# Altium PCB I2C_Jog_Controller.pcbdoc (part 7 of 9)
Units mil, origin at the board's own origin, x right, y up, seen from the top; angles counter-clockwise.
Board outline 3937.01 x 3937.01 mil, 2 copper layers (Top Layer, Bottom Layer), stack 65.398 mil thick; 211 components, 144 nets, 5702 pads, 342 vias.
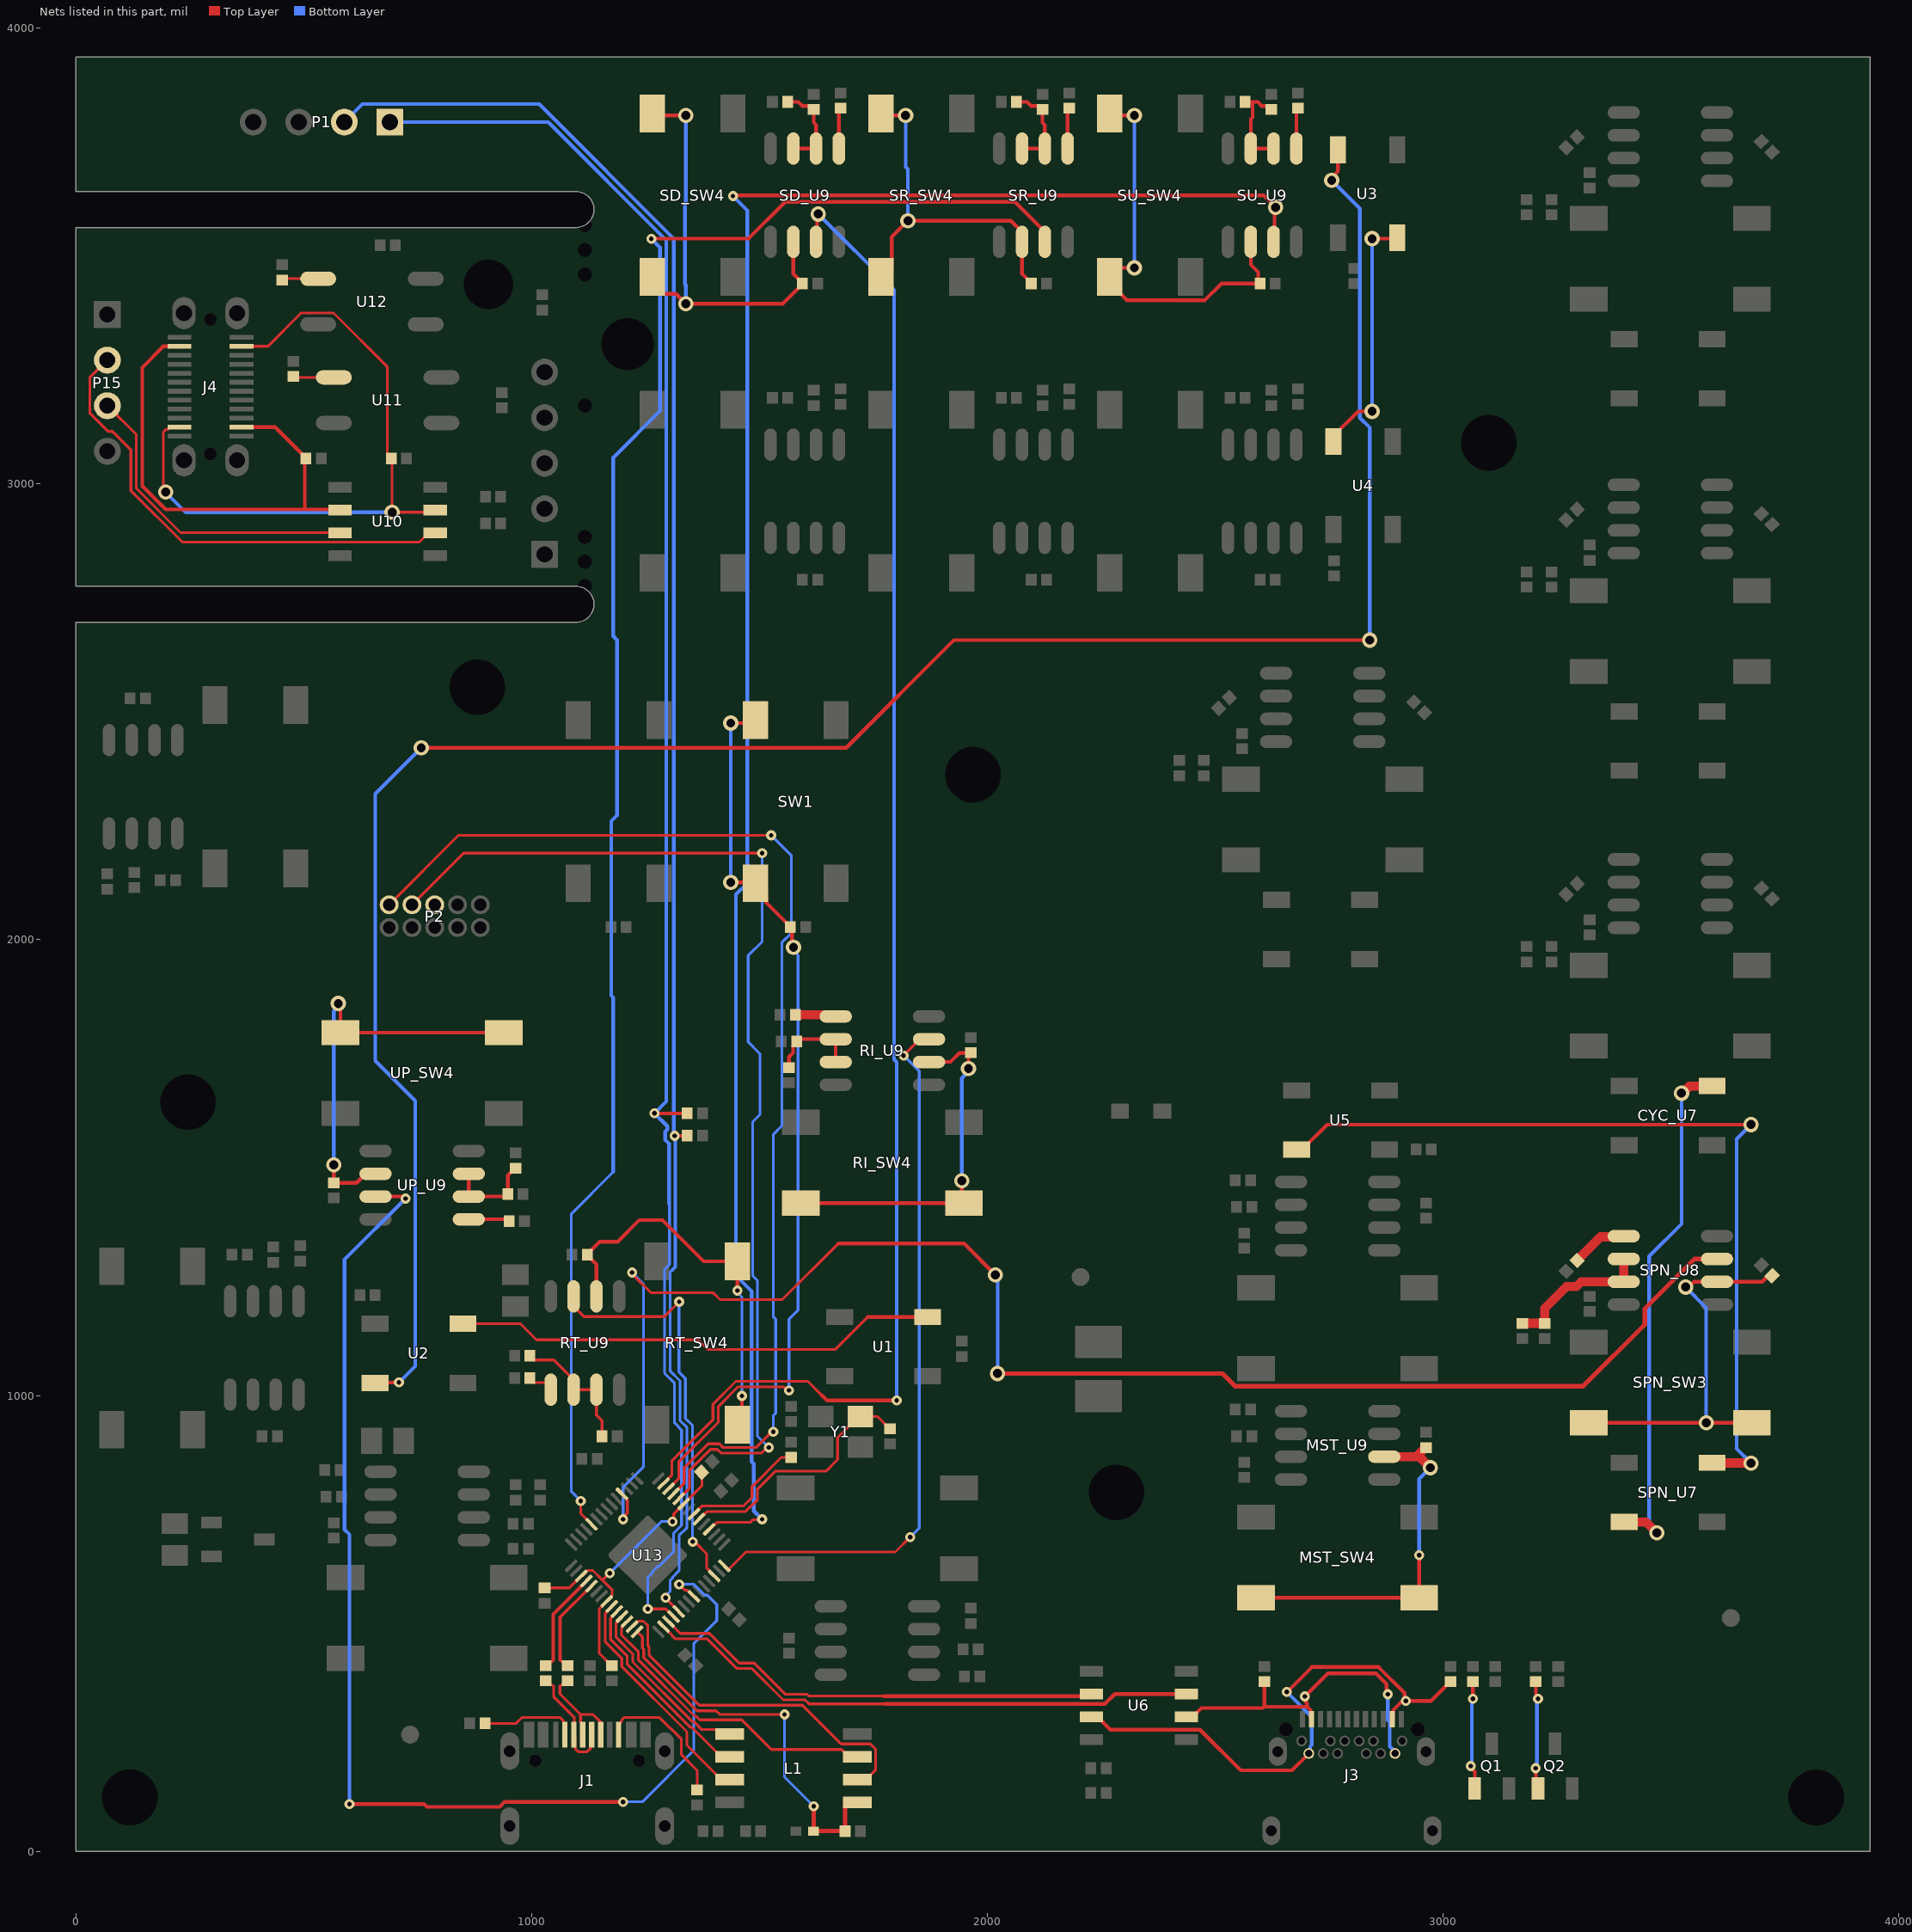
[diagram p7: the nets of this part, all layers, seen from the top]

## Via types
v1: diameter 33.46, hole 19.68, Top Layer to Bottom Layer, tented both sides, 196 vias
v2: diameter 22, hole 10, Top Layer to Bottom Layer, tented both sides, 146 vias

## Nets (pads, with @x,y where several pads share a name; then routed paths per layer and width w, separated by ;. In a path a pad name is that pad's centre, name@x,y a point inside that pad or via, vN(x,y) a via of type N, cw(c..) or ccw(c..) an arc to the next point about the centre after c; other vN are vias at no path point) (continued)
NetMST_R16_2: MST_R16.2 MST_SW4.3 MST_SW4.4 MST_U9.2 | length 794.7
  Top Layer w8: MST_SW4.3@2589.57,556.1 MST_SW4.4@2947.83,556.1 v2(2947.83,649.61)
  Top Layer w20: MST_U9.2@2871.06,865.75 2948.23,865.75 v1(2972.44,841.54) ; 2941.54,865.75 2959.8,884.02 2960.79,884.02 MST_R16.2@2962.6,885.83
  Bottom Layer w8: v2(2947.83,649.61) 2947.83,816.93 v1(2972.44,841.54)
NetQ1_1: Q1.1 R11.1 | length 237
  Top Layer w8: v2(3061.02,187.01) 3061.02,183.26 3069.88,174.4 Q1.1@3069.88,137.8 ; v2(3065.94,334.65) R11.1@3065.94,369.09
  Bottom Layer w8: v2(3061.02,187.01) 3063.48,189.47 3063.48,332.19 v2(3065.94,334.65)
NetQ2_1: Q2.1 R12.2 | length 240.4
  Top Layer w8: v2(3203.74,182.09) 3203.74,142.72 Q2.1@3208.66,137.8 ; R12.2@3203.74,372.05 3203.74,343.36 3208.66,338.43 v2(3208.66,334.65)
  Bottom Layer w8: v2(3203.74,182.09) 3206.2,184.55 3206.2,332.19 v2(3208.66,334.65)
NetR4_2: R4.2 U12.1 | length 79.9
  Top Layer w6: R4.2@452.76,3447.83 455.51,3450.59 U12.1@531.5,3450.59
NetR5_2: R5.2 U11.1 | length 89.5
  Top Layer w6: R5.2@477.36,3236.22 479.53,3234.06 U11.1@565.94,3234.06
NetRI_C15_2: RI_C15.2 RI_R15.2 RI_U9.6 RI_U9.7 | length 201.8
  Top Layer w8: RI_R15.2@1564.96,1719.49 1564.96,1742.86 1573.88,1751.78 1573.88,1768.76 1587.01,1781.89 RI_U9.6@1667.32,1781.89 RI_U9.7@1667.32,1731.89
NetRI_C16_1: RI_C16.1 RI_U9.5 | length 90.1
  Top Layer w20: RI_C16.1@1578.74,1835.63 1639.88,1835.63 1643.62,1831.89 RI_U9.5@1667.32,1831.89
NetRI_R16_2: RI_R16.2 RI_SW4.3 RI_SW4.4 RI_U9.2 | length 798
  Top Layer w8: RI_SW4.3@1590.55,1422.24 RI_SW4.4@1948.82,1422.24 1943.9,1427.17 v1(1943.9,1471.46) ; RI_U9.2@1872.05,1731.89 1919.08,1731.89 1938.44,1751.25 1962.86,1751.25 RI_R16.2@1963.58,1751.97 1958.66,1747.05 v1(1958.66,1717.52)
  Bottom Layer w8: v1(1943.9,1471.46) 1943.9,1695.87 1958.66,1710.63 v1(1958.66,1717.52)
NetRT_C15_2: RT_C15.2 RT_R15.2 RT_U9.6 RT_U9.7 | length 297.8
  Top Layer w6: RT_C15.2@996.06,1087.6 996.06,1086.61 1004.87,1077.8 1048.77,1077.8 1092.13,1034.45 RT_U9.6@1092.13,1012.8 RT_U9.7@1142.13,1012.8 1142.13,956.91 1154.53,944.5 RT_R15.2@1154.53,910.43
NetRT_C16_1: RT_C16.1 RT_U9.5 | length 60.7
  Top Layer w6: RT_C16.1@996.06,1038.39 996.06,1037.4 1004.87,1028.59 1032.17,1028.59 1042.13,1018.63 RT_U9.5@1042.13,1012.8
NetRT_R16_2: RT_R16.2 RT_SW4.3 RT_SW4.4 RT_U9.2 | length 865.6
  Top Layer w8: RT_U9.2@1142.13,1217.52 1142.13,1287.99 1122.05,1308.07 1122.05,1310.04 1149.28,1337.27 1188.69,1337.27 1236.42,1385 1286.96,1385 1377.67,1294.29 RT_SW4.4@1451.77,1294.29 v2(1451.77,1230.32) ; RT_SW4.3@1451.77,936.02 1461.61,945.87 v2(1461.61,999.02)
  Bottom Layer w6: v2(1451.77,1230.32) 1451.77,1225.99 1461.61,1216.14 v2(1461.61,999.02)
NetSD_C15_2: SD_C15.2 SD_R15.2 SD_U9.6 SD_U9.7 | length 201.8
  Top Layer w8: SD_R15.2@1562.01,3838.58 1585.38,3838.58 1594.3,3829.66 1611.28,3829.66 SD_C15.2@1619.09,3821.85 1619.09,3793.13 1624.41,3787.82 SD_U9.6@1624.41,3736.22 SD_U9.7@1574.41,3736.22
NetSD_C16_1: SD_C16.1 SD_U9.5 | length 90.1
  Top Layer w8: SD_U9.5@1674.41,3736.22 1674.41,3821.06 SD_C16.1@1678.15,3824.8
NetSD_R16_2: SD_R16.2 SD_SW4.3 SD_SW4.4 SD_U9.2 | length 971.6
  Top Layer w8: SD_SW4.4@1264.76,3454.72 1264.76,3440.94 1288.32,3417.39 1316.87,3417.39 v1(1338.58,3395.67) 1551.18,3395.67 1594.49,3438.98 1594.49,3440.95 1574.41,3461.02 SD_U9.2@1574.41,3531.5 ; SD_SW4.3@1264.76,3812.99 1268.7,3809.06 v1(1338.58,3809.06)
  Bottom Layer w8: v1(1338.58,3395.67) 1338.58,3436.6 1336.46,3438.73 1336.46,3616.95 1338.58,3619.07 v1(1338.58,3809.06)
NetSPN_C13_2: SPN_C13.2 SPN_R13.2 SPN_U8.6 SPN_U8.7 | length 329.2
  Top Layer w20: SPN_C13.2@3174.21,1158.46 SPN_R13.2@3223.43,1158.46 3223.43,1190.94 3271.7,1239.22 3293.01,1239.22 3303.4,1249.61 SPN_U8.7@3396.65,1249.61 SPN_U8.6@3396.65,1299.61
NetSPN_C14_1: SPN_C14.1 SPN_U8.5 | length 124.4
  Top Layer w20: SPN_C14.1@3294.31,1296.28 3346.19,1348.16 3395.21,1348.16 SPN_U8.5@3396.65,1349.61
NetSPN_R14_2: SPN_R14.2 SPN_SW3.3 SPN_SW3.4 SPN_U8.2 | length 875
  Top Layer w8: SPN_SW3.3@3319.88,939.96 SPN_SW3.4@3678.15,939.96 ; v1(3532.63,1237.9) 3539.52,1237.9 3551.22,1249.61 3700.56,1249.61 3713.73,1262.77 SPN_R14.2@3722.46,1262.77
  Bottom Layer w8: v1(3532.63,1237.9) 3577.76,1192.78 v1(3577.76,939.96)
NetSR_C15_2: SR_C15.2 SR_R15.2 SR_U9.6 SR_U9.7 | length 201.8
  Top Layer w8: SR_R15.2@2063.98,3838.58 2087.35,3838.58 2096.27,3829.66 2113.25,3829.66 SR_C15.2@2121.06,3821.85 2121.06,3793.13 2126.38,3787.82 SR_U9.6@2126.38,3736.22 SR_U9.7@2076.38,3736.22
NetSR_C16_1: SR_C16.1 SR_U9.5 | length 90.1
  Top Layer w8: SR_U9.5@2176.38,3736.22 2176.38,3821.06 SR_C16.1@2180.12,3824.8
NetSR_R16_2: SR_R16.2 SR_SW4.3 SR_SW4.4 SR_U9.2 | length 819.8
  Top Layer w8: SR_SW4.4@1766.73,3454.72 1790.29,3478.28 1790.29,3542.26 1826.95,3578.92 1828.12,3577.76 2051.77,3577.76 2076.38,3553.15 2076.38,3461.02 2096.46,3440.94 SR_R16.2@2096.46,3439.96 ; SR_SW4.3@1766.73,3812.99 1770.67,3809.06 v1(1820.87,3809.06)
  Bottom Layer w8: v1(1820.87,3809.06) 1820.87,3695.87 1825.79,3690.94 v1(1825.79,3577.76)
NetSU_C15_2: SU_C15.2 SU_R15.2 SU_U9.6 SU_U9.7 | length 217.9
  Top Layer w8: SU_R15.2@2565.94,3838.58 2582.07,3838.58 ; SU_C15.2@2623.03,3821.85 2615.22,3829.66 2602.31,3829.66 2593.39,3838.58 2582.07,3838.58 ; SU_U9.6@2628.35,3736.22 SU_U9.7@2578.35,3736.22 2578.35,3800.88 2582.07,3804.61 2582.07,3838.58
NetSU_C16_1: SU_C16.1 SU_U9.5 | length 90.1
  Top Layer w8: SU_U9.5@2678.35,3736.22 2678.35,3821.06 SU_C16.1@2682.09,3824.8
NetSU_R16_2: SU_R16.2 SU_SW4.3 SU_SW4.4 SU_U9.2 | length 926.2
  Top Layer w8: SU_SW4.3@2268.7,3812.99 2272.64,3809.06 v1(2322.83,3809.06) ; v1(2322.83,3474.41) 2288.39,3474.41 SU_SW4.4@2268.7,3454.72 2268.7,3440.95 2306.26,3403.39 2477.57,3403.39 2514.14,3439.96 2597.44,3439.96 2598.43,3440.95 2594.51,3444.86 2594.51,3464.76 2578.35,3480.92 SU_U9.2@2578.35,3531.5
  Bottom Layer w8: v1(2322.83,3474.41) v1(2322.83,3809.06)
NetU1_2: U1.2 U2.4 | length 1072.4
  Top Layer w6: U2.4@849.41,1157.48 975.49,1157.48 1010.61,1122.36 1365.43,1122.36 1386.56,1101.24 1666.56,1101.24 1737.57,1172.24
  Top Layer w8: 1737.57,1172.24 U1.2@1869.09,1172.24
NetU2_2: U2.2 U3.4 | length 4834
  Top Layer w8: U2.2@656.5,1027.56 657.48,1028.54 v2(708.66,1028.54) ; v1(757.87,2421.26) 1690.32,2421.26 1926.54,2657.48 v1(2839.57,2657.48) ; v1(2755.91,3666.34) 2755.91,3673.23 2769.69,3687.01 U3.4@2769.69,3733.27
  Bottom Layer w8: v2(708.66,1028.54) 744.43,1064.31 744.43,1646.82 656.73,1734.51 656.73,2320.12 v1(757.87,2421.26) ; v1(2755.91,3666.34) 2817.76,3604.49 2817.76,3145.34 2839.57,3123.52 v1(2839.57,2657.48)
NetU3_2: U3.2 U4.4 | length 553.8
  Top Layer w8: U4.4@2759.84,3093.5 2759.84,3105.31 2813.98,3159.45 v1(2844.49,3159.45) ; v1(2844.49,3538.39) 2897.64,3538.39 U3.2@2899.61,3540.35
  Bottom Layer w8: v1(2844.49,3159.45) v1(2844.49,3538.39)
NetUP_C15_2: UP_C15.2 UP_R15.2 UP_U9.6 UP_U9.7 | length 202.4
  Top Layer w8: UP_U9.7@862.2,1486.61 UP_U9.6@862.2,1436.61 942.52,1436.61 UP_C15.2@947.83,1441.93 947.83,1483.27 963.58,1499.02 UP_R15.2@964.57,1499.02
NetUP_C16_1: UP_C16.1 UP_U9.5 | length 90.1
  Top Layer w8: UP_U9.5@862.2,1386.61 947.05,1386.61 UP_C16.1@950.79,1382.87
NetUP_R16_2: UP_R16.2 UP_SW4.3 UP_SW4.4 UP_U9.2 | length 921.9
  Top Layer w8: v1(565.94,1505.91) UP_R16.2@565.94,1466.54 615.75,1466.54 635.83,1486.61 UP_U9.2@657.48,1486.61 ; v1(575.79,1860.24) 575.79,1853.35 580.71,1848.42 UP_SW4.4@580.71,1796.26 UP_SW4.3@938.98,1796.26
  Bottom Layer w8: v1(565.94,1505.91) 565.94,1843.5 575.79,1853.35 v1(575.79,1860.24)
PICO_RUN: C1.2 SW1.1 SW1.2 U13.26 | length 2022.9
  Top Layer w6: U13.26@1300.51,795.41 1322.63,817.54 1322.63,854.15 1409.95,941.47 1409.95,975.83 1453.14,1019.02 1552.8,1019.02 1560.63,1011.19 v2(1564.96,1011.19)
  Top Layer w8: v1(1437.01,2125.98) 1489.17,2125.98 1514.7,2100.46 1514.7,2081.76 1567.91,2028.54 C1.2@1567.91,2027.56 1571.36,2024.11 1571.36,1986.71 v1(1574.8,1983.27) ; v1(1437.01,2475.39) 1484.25,2475.39 SW1.2@1491.14,2482.28
  Bottom Layer w6: v2(1564.96,1011.19) 1564.96,1167.58 1584.65,1187.27 1584.65,1966.02 1574.8,1975.86 v1(1574.8,1983.27)
  Bottom Layer w8: v1(1437.01,2125.98) v1(1437.01,2475.39)
PICO_SWCLK: P2.4 U13.24 | length 2438.3
  Top Layer w6: P2.4@737.4,2076.77 850.59,2189.96 v2(1505.91,2189.96) ; U13.24@1322.78,773.14 1346.63,796.99 1346.63,836.12 1392.27,881.76 1407.44,881.76 1415.51,873.68 1504.53,873.68 1516.67,885.83 v2(1520.67,885.83)
  Bottom Layer w6: v2(1505.91,2189.96) 1505.91,1996.02 1475.25,1965.37 1475.25,1775.76 1500.93,1750.08 1500.93,1616.06 1485.09,1600.23 1485.09,1262.98 1495.61,1252.46 1495.61,910.88 v2(1520.67,885.83)
PICO_SWDIO: P2.2 U13.25 | length 2551.6
  Top Layer w6: P2.2@687.4,2076.77 839.96,2229.33 v2(1525.59,2229.33) ; U13.25@1311.64,784.28 1334.63,807.27 1334.63,841.09 1387.3,893.76 1412.41,893.76 1420.48,885.68 1492.24,885.68 1526.83,920.28 v2(1530.51,920.28)
  Bottom Layer w6: v2(1525.59,2229.33) 1570.2,2184.72 1570.2,2015.05 1549.07,1993.93 1549.07,1591.42 1530.2,1572.55 1530.2,1172.82 1535.75,1167.27 1535.75,961.2 1530.51,955.97 v2(1530.51,920.28)
QSPI_SCLK: L1.6 U13.52 | length 446
  Top Layer w6: U13.52@1187.06,526.07 1187.06,524.75 1173.32,511 1173.32,464.64 1209.98,427.99 1209.98,410.13 1347.91,272.2 1351.23,272.2 1416.34,207.09 L1.6@1435.04,207.09
QSPI_SD0: L1.5 U13.53 | length 398.9
  Top Layer w6: U13.53@1198.2,514.94 1198.2,513.61 1185.32,500.73 1185.32,469.61 1221.98,432.96 1221.98,415.1 1352.88,284.2 1356.2,284.2 1373.51,266.88 1425.24,266.88 L1.5@1435.04,257.09
QSPI_SD1: L1.2 U13.55 | length 786.7
  Top Layer w6: U13.55@1220.47,492.66 1221.8,492.66 1233.81,504.68 1245.55,504.68 1255.09,495.13 1255.09,450.76 1257.98,447.87 1257.98,430.02 1367.8,320.2 1594.44,320.2 1679.34,235.29 1684.63,235.29 1743.38,235.29 1755.06,223.61 1755.06,178.88 1733.27,157.09 L1.2@1714.57,157.09
QSPI_SD2: L1.3 U13.54 | length 672.7
  Top Layer w6: U13.54@1209.34,503.8 1209.34,502.48 1197.32,490.46 1197.32,474.58 1233.98,437.93 1233.98,420.07 1357.85,296.2 1361.17,296.2 1369.17,288.2 1460.95,288.2 1525.85,223.29 1679.66,223.29 1695.87,207.09 L1.3@1714.57,207.09
QSPI_SD3: L1.7 U13.51 | length 510.5
  Top Layer w6: U13.51@1175.93,537.21 1175.93,535.88 1161.32,521.28 1161.32,459.67 1197.98,423.02 1197.98,405.16 1340.74,262.4 1340.74,232.68 1416.34,157.09 L1.7@1435.04,157.09
QSPI_SS: L1.1 R10.1 R17.2 U13.56 | length 859.4
  Top Layer w6: U13.56@1231.61,481.53 1232.27,480.87 1243.09,470.05 1243.09,445.79 1245.98,442.9 1245.98,425.05 1362.82,308.2 1404.94,308.2 1412.94,300.2 v2(1555.12,300.2)
  Top Layer w10: v2(1619.09,98.43) R10.1@1619.09,44.29 R17.2@1687.99,44.29 1687.99,99.21 1695.87,107.09 L1.1@1714.57,107.09
  Bottom Layer w6: v2(1555.12,300.2) 1555.12,162.4 v2(1619.09,98.43)
RAISE: RI_U9.3 U13.14 | length 1590.9
  Top Layer w6: U13.14@1423,626.29 1431,618.29 1432.33,618.29 1470.68,656.64 1798.37,656.64 v2(1830.71,688.98) ; v2(1816.44,1746.02) 1816.44,1746.97 1851.35,1781.89 RI_U9.3@1872.05,1781.89
  Bottom Layer w6: v2(1816.44,1746.02) 1850.71,1711.74 1850.71,708.98 v2(1830.71,688.98)
RIGHT: RT_U9.3 U13.12 | length 912.7
  Top Layer w6: RT_U9.3@1092.13,1217.52 1092.13,1195.87 1114.91,1173.09 1291.2,1173.09 v2(1323.82,1205.71) ; v2(1353.35,679.13) 1356.41,676.07 1360.81,676.07 1383.97,652.91 1383.97,622.1 1400.73,605.35 U13.12@1400.73,604.02
  Bottom Layer w6: v2(1323.82,1205.71) 1323.5,1205.39 1323.5,1051.21 1337.68,1037.02 1337.68,949.74 1353.35,934.08 v2(1353.35,679.13)
RP_XIN: C22.1 U13.20 Y1.1 | length 552.1
  Top Layer w6: U13.20@1376.72,737.91 1377.95,737.91 1385.61,745.56 1469.95,745.56 1495.75,771.36 1495.75,794.89 1534.66,833.8 1645.74,833.8 1671.4,859.46 1671.4,907.62 1717.52,953.74 1758.86,953.74 C22.1@1785.43,927.17
  Top Layer w8: C22.1@1785.43,927.17 C22.1@1786.42,927.17
RP_XOUT: R22.2 U13.21 | length 279.3
  Top Layer w6: U13.21@1356.19,739.73 1374.33,757.87 1419.49,757.87 1419.81,757.56 1464.98,757.56 1483.75,776.33 1483.75,799.86 1548.06,864.17 R22.2@1569.88,864.17
SCL: U6.6 U13.3 | length 984.2
  Top Layer w6: U13.3@1309.9,494.49 1310.57,493.83 1310.57,493.74 1326.39,477.92 1390.67,477.92 1455.81,412.78 1488.58,412.78 1557.16,344.2 1605.02,344.2 1608.88,340.33 1772.64,340.33
  Top Layer w8: 1772.64,340.33 2223.8,340.33 U6.6@2228.35,344.88
SCL1: P1.2 R2.1 U13.5 | length 3954.6
  Top Layer w6: v2(1294.29,556.1) 1294.29,555.33 1322.78,526.84 U13.5@1322.78,526.07
  Top Layer w8: v2(1313.98,1569.88) R2.1@1341.54,1569.88
  Bottom Layer w6: v2(1294.29,556.1) 1294.29,560.43 1303.82,569.96 1303.82,593.91 1309.06,599.15 1309.06,601.06 1323.61,615.62 1323.61,692.73 1341.06,710.17 1341.06,929.4 1325.68,944.77 1325.68,1032.05 1303.82,1053.92 1303.82,1270.58 1309.06,1275.82
  Bottom Layer w8: P1.2@588.98,3794.29 628.5,3833.82 1016.75,3833.82 1311.85,3538.72 1311.85,1573.53 1315.5,1569.88 1315.5,1282.26 1309.06,1275.82
SCL_EXT: J4.A2 J4.B2 R8.1 U10.7 | length 1509.5
  Top Layer w6: v1(196.85,2982.28) 191.78,2987.35 191.78,3114.36 197.06,3119.63 200.73,3119.63 206.1,3125 J4.A2@227.16,3125 ; J4.B2@363.38,3302.17 421.29,3302.17 494.46,3375.34 565.37,3375.34 683.12,3257.59 683.12,3065.9 692.91,3056.1 693.9,3056.1 v1(693.9,2937.99) 783.07,2937.99 U10.7@788.39,2943.31
  Bottom Layer w8: v1(196.85,2982.28) 241.14,2937.99 v1(693.9,2937.99)
SCL_EXT+: J3.A2 J3.B2 R24.1 U6.2 | length 755.3
  Top Layer w8: U6.2@2437.01,294.88 2450.79,294.88 2469.91,314.01 2604.99,314.01 2608.27,317.29 ; R24.1@2608.27,372.05 2608.27,340.76 2608.27,317.29 ; J3.A2@2711.61,289.57 2709.7,291.47 2709.7,309.55 2701.97,317.29 ; v2(2878.94,344.49) 2876.26,347.17 2876.26,367.02 2853.19,390.09 2747.38,390.09 v2(2696.85,339.57) 2699.53,336.89 2699.53,326.35 2701.97,323.91 2701.97,317.29 ; 2608.27,317.29 2701.97,317.29
  Bottom Layer w8: v2(2878.94,344.49) 2878.94,287.52 2883.31,283.15 2883.31,229.97 2894.68,218.6 J3.B2@2894.68,214.37
SCL_host: P15.2 U10.6 | length 1068.4
  Top Layer w6: P15.2@68.9,3272.05 30.37,3233.52 30.37,3156.09 70.95,3115.5 79.93,3115.5 120.51,3074.92 120.51,2985.46 233.48,2872.5 753.8,2872.5 774.61,2893.31 U10.6@788.39,2893.31
SDA: U6.3 U13.2 | length 1213.7
  Top Layer w6: U13.2@1298.77,483.36 1299.43,482.7 1299.43,482.61 1316.12,465.92 1385.7,465.92 1450.84,400.78 1483.61,400.78 1552.19,332.2 1600.05,332.2 1609.17,323.07 1775.18,323.07
  Top Layer w8: 1775.18,323.07 2258.08,323.07 2279.89,344.88 U6.3@2437.01,344.88
SDA1: P1.1 R1.1 U13.4 | length 3933.9
  Top Layer w6: v2(1254.92,531.5) 1293.76,531.5 1310.32,514.94 U13.4@1311.64,514.94
  Top Layer w8: v2(1269.68,1619.09) R1.1@1341.54,1619.09
  Bottom Layer w6: v2(1254.92,531.5) 1254.92,600.39 1265.28,610.75 1265.28,613.85 1276.99,625.57 1280.1,625.57 1311.61,657.09 1311.61,697.7 1329.06,715.14 1329.06,924.43 1313.68,939.8 1313.68,1027.08 1291.82,1048.95 1291.82,1276.96 1302.5,1287.64 1302.5,1420.07 1301.5,1421.07
  Bottom Layer w8: P1.1@688.98,3794.29 1036.48,3794.29 1295.72,3535.05 1295.72,1645.13 v2(1269.68,1619.09) 1297.85,1590.93 1297.85,1583.45 1292.98,1578.58 1292.98,1561.18 1301.5,1552.66 1301.5,1421.07
SDA_EXT: J4.A11 J4.B11 R9.1 U10.2 | length 1099.1
  Top Layer w8: J4.A11@227.16,3302.17 191.98,3302.17 145.51,3255.69 145.51,2995.82 196.89,2944.44 501.97,2944.44 ; J4.B11@363.38,3125 437.01,3125 504.92,3057.09 R9.1@504.92,3056.1 ; R9.1@501.97,3056.1 501.97,2944.44 ; U10.2@579.72,2943.31 578.59,2944.44 501.97,2944.44
SDA_EXT+: J3.A11 J3.B11 R23.1 U6.7 | length 1197.3
  Top Layer w8: U6.7@2228.35,294.88 2242.13,294.88 2270.32,266.69 2466.74,266.69 2556.23,177.2 2668.54,177.2 J3.B11@2705.71,214.37 ; v2(2657.48,349.41) 2712.17,404.09 2858.99,404.09 2915.87,347.21 2915.87,332.58 v2(2918.54,329.9) ; J3.A11@2888.78,289.57 2890.68,291.47 2890.68,309.56 2908.35,327.22 2915.87,327.22 v2(2918.54,329.9) ; R23.1@3016.73,372.05 3015.75,372.05 2973.6,329.9 v2(2918.54,329.9)
  Bottom Layer w8: v2(2657.48,349.41) 2657.48,349.24 2711.83,294.88 2711.83,232.87 2708.7,229.73 2708.7,217.36 J3.B11@2705.71,214.37
SDA_host: P15.3 U10.3 | length 695.4
  Top Layer w6: P15.3@68.9,3172.05 132.51,3108.43 132.51,2990.43 229.64,2893.31 U10.3@579.72,2893.31
SPINDLE: SPN_U8.3 U13.32 | length 3482.7
  Top Layer w6: U13.32@1198.2,784.28 1198.2,782.95 1210.21,770.94 1210.21,742.1 1200.79,732.68 v2(1200.79,728.35) ; v2(1220.47,1269.69) 1220.47,1266.8 1261.56,1225.71 1398.03,1225.71 1413.42,1210.32 1549.88,1210.32 1673.23,1333.66
  Top Layer w8: 1673.23,1333.66 1948.82,1333.66 v1(2017.72,1264.76)
  Top Layer w10: v1(2022.64,1048.23) 2515.94,1048.23 2543.67,1020.5 3307.71,1020.5 3443.09,1155.88 3443.09,1190.4 3552.3,1299.61 SPN_U8.3@3601.38,1299.61
  Bottom Layer w6: v2(1200.79,728.35) 1200.79,798.49 1245.39,843.09 1245.39,1244.76 v2(1220.47,1269.69)
  Bottom Layer w8: v1(2017.72,1264.76) 2017.72,1257.87 2022.64,1252.95 v1(2022.64,1048.23)
SPINOVR/DN: SD_U9.3 U13.27 | length 3398.3
  Top Layer w6: U13.27@1289.37,806.55 1289.37,807.11 1307.63,825.37 1307.63,856.12 1397.95,946.44 1397.95,980.8 1448.34,1031.19 1606.13,1031.19 1636.71,1000.61
  Top Layer w8: SD_U9.3@1624.41,3531.5 1626.67,3533.76 1626.67,3590.26 v1(1628.94,3592.52) ; 1636.71,1000.61 1648.15,989.17 v2(1801.18,989.17)
  Bottom Layer w8: v1(1628.94,3592.52) 1795.44,3426.02 1795.44,1737.32 1801.18,1731.57 v2(1801.18,989.17)
SPINOVR/RESET: SR_U9.3 U13.38 | length 3884.2
  Top Layer w6: v2(1107.91,768.34) 1107.91,740.94 U13.38@1131.39,717.46
  Top Layer w8: v2(1262.68,3538.39) 1476.02,3538.39 1556.88,3619.25 2060.28,3619.25 2126.38,3553.15 SR_U9.3@2126.38,3531.5
  Bottom Layer w6: v2(1107.91,768.34) 1087.28,788.97 1087.28,1398.89 1178.98,1490.58
  Bottom Layer w8: 1178.98,1490.58 1178.98,1873.26 1174.87,1877.37 1174.87,2260.05 1187.34,2272.52 1187.34,2657.97 1178.98,2666.34 1178.98,3057.33 1281.72,3160.07 1281.72,3519.35 v2(1262.68,3538.39)
SPINOVR/UP: SU_U9.3 U13.18 | length 4356.1
  Top Layer w6: U13.18@1389.59,706.33 1390.92,706.33 1406.15,721.56 1479.89,721.56 1485.91,727.58 1505.14,727.58 v2(1505.91,728.35)
  Top Layer w8: v2@1441.93,3632.09 1443.09,3633.25 2606.91,3633.25 v1(2632.87,3607.28) 2630.61,3605.02 2630.61,3533.76 SU_U9.3@2628.35,3531.5
  Bottom Layer w8: v2(1441.93,3631.89) 1473.58,3600.24 1473.58,2124.75 1448.46,2099.64 1448.46,1263.32 1482.61,1229.17 1482.61,855.15 1487.54,850.23 1487.54,746.72 v2(1505.91,728.35)
SPN_LED_IN: CYC_U7.2 SPN_U7.4 | length 1156.1
  Top Layer w20: SPN_U7.4@3397.64,722.44 3445.87,722.44 v1(3469.49,698.82) ; v1(3523.62,1663.39) 3525.81,1663.39 3541.56,1679.13 CYC_U7.2@3590.55,1679.13
  Bottom Layer w8: v1(3469.49,698.82) 3469.49,705.67 3452.6,722.56 3452.6,1305.36 3523.62,1376.39 v1(3523.62,1663.39)
SPN_LED_OUT: SPN_U7.2 U5.4 | length 1875.2
  Top Layer w8: U5.4@2679.13,1539.37 2690.94,1539.37 2746.06,1594.49 v1(3676.18,1594.49)
  Top Layer w20: SPN_U7.2@3590.55,852.36 3591.04,851.87 3675.69,851.87 v1(3676.18,851.38)
  Bottom Layer w8: v1(3676.18,851.38) 3644.53,883.03 3644.53,1562.83 v1(3676.18,1594.49)
UART_TX: P2.6
UP: U13.8 UP_U9.3 | length 2751.8
  Top Layer w6: v2(1323.82,585.63) 1336.96,572.49 1341.85,572.49 1354.86,559.48 U13.8@1356.19,559.48
  Top Layer w8: v2(600.39,103.35) 763.93,103.35 770.17,97.11 929.92,97.11 941.08,108.27 v2(1200.79,108.27) ; UP_U9.3@657.48,1436.61 715.11,1436.61 719.64,1432.09 v2(723.43,1432.09)
  Bottom Layer w6: v2(1200.79,108.27) 1243.34,108.27 1355.8,220.73 1355.8,455.11 1406.54,505.85 1406.54,541.25 1385.88,561.91 1380.06,561.91 1356.33,585.63 v2(1323.82,585.63)
  Bottom Layer w8: v2(600.39,103.35) 600.39,695.04 589.24,706.2 589.24,1297.9 v2(723.43,1432.09)
USB_D_N: J1.A7 J1.B7 R19.1 | length 249.4
  Top Layer w6: R19.1@1030.93,374.02 1039.74,365.2 1044.62,365.2 1048.14,361.69 1048.14,339.46 1093.43,294.17 1093.43,253.14 1095.43,251.14 1095.43,225.31 1102.57,218.17 1121.84,218.17 1128.98,225.31 1128.98,252.8 J1.A7@1131.89,255.71
USB_D_P: J1.A6 J1.B6 R18.1 | length 227.6
  Top Layer w6: R18.1@1079.35,374.02 1070.54,365.2 1065.65,365.2 1062.14,361.69 1062.14,345.26 1107.43,299.97 ; J1.A6@1112.2,255.71 1112.2,278.35 1107.43,283.13 1107.43,299.97 ; J1.B6@1151.57,255.71 1151.57,283.2 1134.8,299.97 1107.43,299.97
USB_D_R_N: R19.2 U13.46 | length 224.9
  Top Layer w7: R19.2@1030.93,407.48 1039.24,415.79 1043.54,415.79 1047.64,419.89 1047.64,519.74 1120.25,592.36 U13.46@1120.25,592.88
USB_D_R_P: R18.2 U13.47 | length 212.5
  Top Layer w7: R18.2@1079.35,407.48 1071.04,415.79 1066.74,415.79 1062.64,419.89 1062.64,513.53 1130.86,581.75 U13.47@1131.39,581.75
USBC_CC1: J1.A5 R21.1 | length 212.1
  Top Layer w6: R21.1@897.64,280.51 965.82,280.51 978.56,293.25 1062.78,293.25 1069.93,286.11 1069.93,258.61 J1.A5@1072.83,255.71
USBC_CC2: J1.B5 R20.1 | length 313.1
  Top Layer w6: J1.B5@1190.94,255.71 1190.94,278.35 1197.69,285.09 1197.69,287.98 1202.96,293.25 1281.19,293.25 1328.74,245.7 1328.74,211.9 1363.19,177.45 R20.1@1363.19,134.84
VREG_1V1: C24.2 C25.2 C26.2 U13.23 U13.45 U13.50 | length 700.8
  Top Layer w6: C25.2@1028.54,577.76 1082.85,577.76 U13.45@1109.12,604.02 ; U13.45@1108.59,604.55 1110.97,604.55 1122.45,616.03 1134.19,616.03 1154.79,595.43 1156.2,595.43 ; U13.50@1164.79,548.34 1164.79,548.25 1148.32,531.78 1148.32,434.35 1175.2,407.48 C24.2@1176.18,407.48 ; v2(1171.26,610.24) 1171.01,610.24 1156.2,595.43 ; U13.50@1174.1,557.74 1174.1,558.97 1176.81,561.68 1176.81,573.42 1156.2,594.02 1156.2,595.43 ; v2(1309.06,723.43) 1312.12,726.49 1312.12,740.3 1333.83,762.01 U13.23@1333.91,762.01 1373.73,801.82 1373.73,831 C26.2@1373.03,831.69
  Bottom Layer w6: v2(1171.26,610.24) 1284.45,723.43 v2(1309.06,723.43)